# Altium PCB RockerBox_1_SiC780A_Rev02.PcbDoc (part 4 of 4)
Units mm, origin at the board's own origin, x right, y up, seen from the top; angles counter-clockwise.
Board outline 100 x 100 mm, 4 copper layers (L1, L2, L3, L4), stack 1.577 mm thick; 392 components, 96 nets, 1494 pads, 1617 vias.
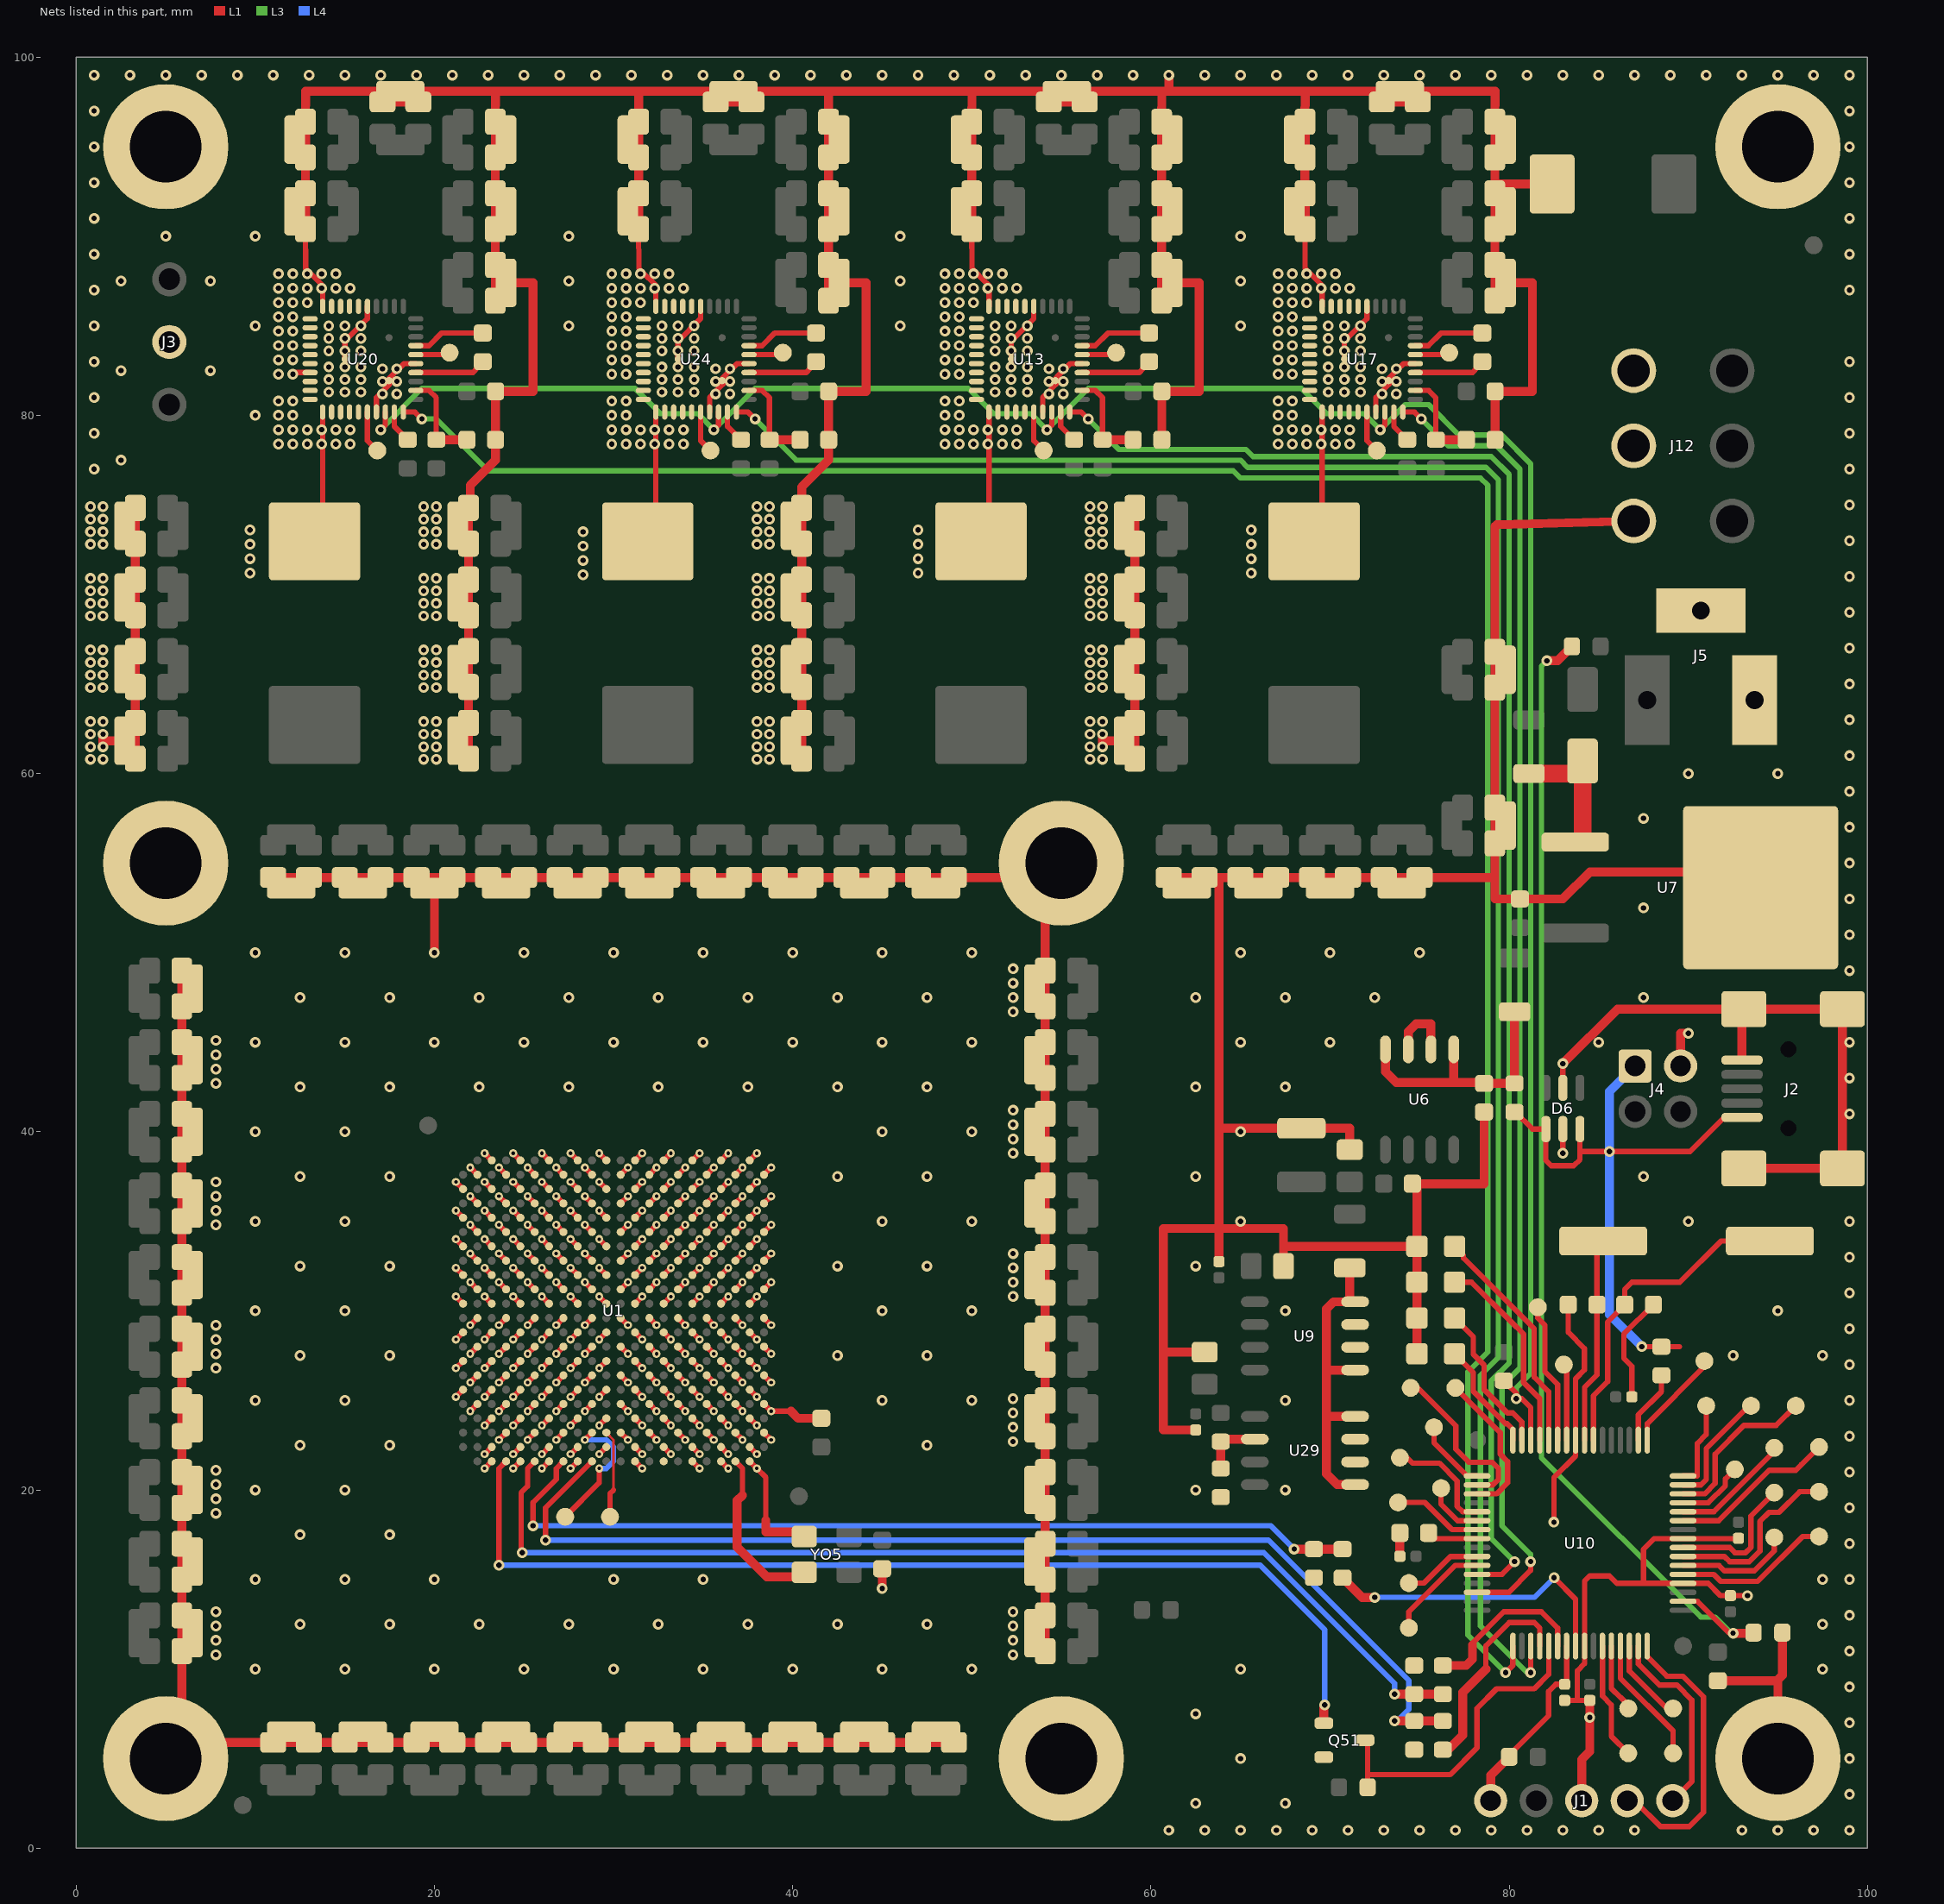
[diagram p6: the nets of this part, all layers, seen from the top]

## Via types
v1: diameter 0.6/0.6/0.6/0.6 (per signal layer), hole 0.3, L1 to L4, 1154 vias
v2: diameter 0.45/0.45/0.45/0.45 (per signal layer), hole 0.2, L1 to L4, 463 vias

## Nets (pads, with @x,y where several pads share a name; then routed paths per layer and width w, separated by ;. In a path a pad name is that pad's centre, name@x,y a point inside that pad or via, vN(x,y) a via of type N, cw(c..) or ccw(c..) an arc to the next point about the centre after c; other vN are vias at no path point) (continued)
GND: C1.1 C2.2 C3.2 C4.2 C5.2 C6.2 C7.2 C8.2 C9.2 C10.2 C11.2 C12.2 C13.1 C14.2 C15.2 C16.2 C17.2 C18.1 C19.1 C20.2 C21.2 C22.1 C23.2 C24.2 C25.2 C26.2 C36.1 C37.2 C38.2 C39.2 C40.2 C41.1 C42.1 C43.1 C47.1 C49.2 C50.2 C51.2 C52.2 C54.1 C58.2 C62.1 C63.1 C65.2 C66.2 C67.2 C68.2 C69.2 C70.2 C71.2 C74.1 C75.1 C76.1 C77.1 C78.1 C79.1 C80.1 C81.1 C85.1 C89.2 C90.2 C91.2 C92.1 C94.2 C95.2 C96.1 C97.2 C98.2 C99.1 C100.2 C101.1 C102.1 C106.2 C107.1 C108.2 C109.2 C110.2 C111.2 C112.2 C113.2 C114.2 C115.2 C116.2 C117.1 C118.2 C119.2 C120.2 C121.2 C122.2 C123.2 C124.2 C126.2 C127.2 C128.2 C130.2 C131.2 C132.1 C133.1 C134.1 C138.2 C139.2 C140.1 C141.2 C142.2 C143.1 C144.2 C145.2 C146.1 C147.2 C148.1 C149.1 C150.1 C151.1 C152.1 C153.1 C154.1 C155.1 C156.1 C157.1 C158.1 C159.1 C160.1 C161.1 C162.1 C163.1 C164.1 C165.1 C166.2 C167.1 C168.1 C169.2 C170.2 C172.2 C173.2 C174.1 C175.2 C176.2 C177.1 C178.1 C179.1 C180.1 C181.1 C182.1 C183.1 C184.1 C185.1 C186.1 C187.2 C188.2 C189.1 C190.2 C191.2 C192.1 C193.2 C194.2 C195.1 C196.2 C197.2 C199.2 C200.2 C202.2 C203.2 C205.2 C206.1 C207.1 C208.1 C209.1 C210.1 C211.1 C212.1 C213.1 C214.1 C215.1 C216.1 C217.1 C218.1 C219.1 C220.1 C221.1 C222.1 C223.1 C224.1 C225.1 C226.1 C227.1 C228.1 C229.1 C230.1 C231.2 C232.2 C233.1 C234.1 C235.1 C236.1 C237.1 C238.1 C239.1 C240.1 C241.1 C242.1 C243.1 C244.1 C245.1 C246.1 C247.1 C248.1 C249.1 C250.1 C251.1 C252.1 C253.1 C254.1 C255.1 C256.1 C258.1 C259.1 C260.1 C261.1 C262.1 C263.2 C264.2 C265.2 C266.2 C267.1 C268.2 C269.2 C270.1 C271.2 C272.2 C273.1 C274.2 C275.2 C276.1 C331.2 C332.2 C333.2 C334.2 C347.2 C373.1 C374.1 C375.1 C376.1 C377.1 C378.2 C379.2 C380.2 C381.1 C382.1 C397.1 C398.1 C399.1 C400.1 C401.1 C404.1 C405.1 C406.1 C407.1 C596.1 C598.2 C599.1 C600.2 C602.1 C603.2 C605.1 C606.2 C640.2 C642.2 C652.2 C653.1 C654.2 C655.2 C656.1 C657.2 C658.2 C659.1 C660.2 C661.2 C662.1 C663.2 C664.2 C665.1 C666.2 C667.2 C668.1 C669.2 C711.2 C814.2 D1.1 D2.1 D3.1 D4.1 D6.2 D6.5 D28.2 J1.3 J2.5 J2.6 J2.7 J2.8 J2.9 J3.2 J4.2 J5.2 J5.3 J9.1 J12.4 J12.5 J12.6 J13.1 J14.1 J15.1 J22.1 J23.1 J24.1 Q51.2 R5.1 R8.2 R22.2 R28.2 R29.2 U1.A2 U1.A4 U1.A6 U1.A8 U1.A10 U1.A12 U1.A14 U1.A16 U1.A18 U1.A20 U1.AA2 U1.AA4 U1.AA6 U1.AA8 U1.AA10 U1.AA12 U1.AA14 U1.AA16 U1.AA18 U1.AB3 U1.AB5 U1.AB7 U1.AB9 U1.AB11 U1.AB13 U1.AB15 U1.AB17 U1.B1 U1.B3 U1.B5 U1.B7 U1.B9 U1.B11 U1.B13 U1.B15 U1.B17 U1.B19 U1.B21 U1.B22 U1.C2 U1.C4 U1.C6 U1.C8 U1.C10 U1.C12 U1.C14 U1.C16 U1.C18 U1.C20 U1.D1 U1.D3 U1.D5 U1.D7 U1.D9 U1.D11 U1.D13 U1.D15 U1.D17 U1.D19 U1.D21 U1.D22 U1.E2 U1.E4 U1.E6 U1.E8 U1.E10 U1.E12 U1.E14 U1.E16 U1.E18 U1.E20 U1.F1 U1.F3 U1.F5 U1.F7 U1.F9 U1.F11 U1.F13 U1.F15 U1.F17 U1.F19 U1.F21 U1.F22 U1.G2 U1.G4 U1.G6 U1.G8 U1.G10 U1.G12 U1.G14 U1.G16 U1.G18 U1.G20 U1.H1 U1.H3 U1.H5 U1.H7 U1.H9 U1.H11 U1.H13 U1.H15 U1.H17 U1.H19 U1.H21 U1.H22 U1.J2 U1.J4 U1.J6 U1.J8 U1.J10 U1.J12 U1.J14 U1.J16 U1.J18 U1.J20 U1.K1 U1.K3 U1.K5 U1.K7 U1.K9 U1.K11 U1.K13 U1.K15 U1.K17 U1.K19 U1.K21 U1.K22 U1.L2 U1.L4 U1.L6 U1.L8 U1.L10 U1.L12 U1.L14 U1.L16 U1.L18 U1.L20 U1.M1 U1.M3 U1.M5 U1.M7 U1.M9 U1.M11 U1.M13 U1.M15 U1.M17 U1.M19 U1.M21 U1.N2 U1.N4 U1.N6 U1.N8 U1.N10 U1.N12 U1.N14 U1.N16 U1.N18 U1.P1 U1.P3 U1.P5 U1.P7 U1.P9 U1.P11 U1.P13 U1.P15 U1.P17 U1.P19 U1.P21 U1.P22 U1.R2 U1.R4 U1.R6 U1.R8 U1.R10 U1.R12 U1.R14 U1.R16 U1.R18 U1.R20 U1.T1 U1.T3 U1.T5 U1.T7 U1.T9 U1.T11 U1.T13 U1.T15 U1.T17 U1.T19 U1.T21 U1.T22 U1.U2 U1.U4 U1.U6 U1.U8 U1.U10 U1.U12 U1.U14 U1.U16 U1.U18 U1.U20 U1.V1 U1.V3 U1.V5 U1.V7 U1.V9 U1.V11 U1.V13 U1.V15 U1.V17 U1.V19 U1.V21 U1.V22 U1.W2 U1.W4 U1.W6 U1.W8 U1.W10 U1.W12 U1.W14 U1.W16 U1.W18 U1.W20 U1.Y1 U1.Y3 U1.Y5 U1.Y7 U1.Y9 U1.Y11 U1.Y13 U1.Y15 U1.Y17 U1.Y19 U1.Y21 U1.Y22 U6.6 U6.7 U7.4 U9.6 U9.7 U10.9 U10.20 U10.25 U10.41 U13.5 U13.16 U13.17 U13.18 U13.19 U13.20 U13.21 U13.22 U13.23 U13.24 U13.25 U13.26 U13.27 U13.28 U13.37 U13.41 U17.5 U17.16 U17.17 U17.18 U17.19 U17.20 U17.21 U17.22 U17.23 U17.24 U17.25 U17.26 U17.27 U17.28 U17.37 U17.41 U20.5 U20.16 U20.17 U20.18 U20.19 U20.20 U20.21 U20.22 U20.23 U20.24 U20.25 U20.26 U20.27 U20.28 U20.37 U20.41 U24.5 U24.16 U24.17 U24.18 U24.19 U24.20 U24.21 U24.22 U24.23 U24.24 U24.25 U24.26 U24.27 U24.28 U24.37 U24.41 U29.6 U29.7 YO5.2 | length 930.2
  L1 w0.3: v1(12.1,82.3) 12.1,82.39 U20.27@13.061,82.39 ; C711.2@12.8,90.4 12.811,88.2 13.006,88.006 13.761,87.25 U20.20@13.761,86.09 ; U20.37@16.761,80.19 16.761,81 17.031,81.269 17.5,81.739 17.5,81.901 U20.41@17.461,81.94 17.461,82.051 17.605,82.195 17.955,82.545 18.3,82.89 U20.5@18.961,82.89 ; v2(21.2,25.2) U1.AB17@21.6,25.6 ; v2(21.2,26.8) U1.AB15@21.6,27.2 ; v2(21.2,28.4) U1.AB13@21.6,28.8 ; v2(21.2,30.8) U1.AB11@21.6,30.4 ; v2(21.2,32.4) U1.AB9@21.6,32 ; v2(21.2,34) U1.AB7@21.6,33.6 ; v2(21.2,35.6) U1.AB5@21.6,35.2 ; v2(21.2,37.2) U1.AB3@21.6,36.8 ; v2(22,24.4) U1.AA18@22.4,24.8 ; v2(22,26) U1.AA16@22.4,26.4 ; v2(22,27.6) U1.AA14@22.4,28 ; v2(22,29.2) U1.AA12@22.4,29.6 ; v2(22,31.6) U1.AA10@22.4,31.2 ; v2(22,33.2) U1.AA8@22.4,32.8 ; v2(22,34.8) U1.AA6@22.4,34.4 ; v2(22,36.4) U1.AA4@22.4,36 ; v2(22,38) U1.AA2@22.4,37.6 ; v2(22.8,21.2) U1.Y22@23.2,21.6 ; v2(22.8,22) U1.Y21@23.2,22.4 ; v2(22.8,23.6) U1.Y19@23.2,24 ; v2(22.8,25.2) U1.Y17@23.2,25.6 ; v2(22.8,26.8) U1.Y15@23.2,27.2 ; v2(22.8,28.4) U1.Y13@23.2,28.8 ; v2(22.8,30.8) U1.Y11@23.2,30.4 ; v2(22.8,32.4) U1.Y9@23.2,32 ; v2(22.8,34) U1.Y7@23.2,33.6 ; v2(22.8,35.6) U1.Y5@23.2,35.2 ; v2(22.8,37.2) U1.Y3@23.2,36.8 ; v2(22.8,38.8) U1.Y1@23.2,38.4 ; v2(23.6,22.8) U1.W20@24,23.2 ; v2(23.6,24.4) U1.W18@24,24.8 ; v2(23.6,26) U1.W16@24,26.4 ; v2(23.6,27.6) U1.W14@24,28 ; v2(23.6,29.2) U1.W12@24,29.6 ; v2(23.6,31.6) U1.W10@24,31.2 ; v2(23.6,33.2) U1.W8@24,32.8 ; v2(23.6,34.8) U1.W6@24,34.4 ; v2(23.6,36.4) U1.W4@24,36 ; v2(23.6,38) U1.W2@24,37.6 ; v2(24.4,21.2) U1.V22@24.8,21.6 ; v2(24.4,22) U1.V21@24.8,22.4 ; v2(24.4,23.6) U1.V19@24.8,24 ; v2(24.4,25.2) U1.V17@24.8,25.6 ; v2(24.4,26.8) U1.V15@24.8,27.2 ; v2(24.4,28.4) U1.V13@24.8,28.8 ; v2(24.4,30.8) U1.V11@24.8,30.4 ; v2(24.4,32.4) U1.V9@24.8,32 ; v2(24.4,34) U1.V7@24.8,33.6 ; v2(24.4,35.6) U1.V5@24.8,35.2 ; v2(24.4,37.2) U1.V3@24.8,36.8 ; v2(24.4,38.8) U1.V1@24.8,38.4 ; v2(25.2,22.8) U1.U20@25.6,23.2 ; v2(25.2,24.4) U1.U18@25.6,24.8 ; v2(25.2,26) U1.U16@25.6,26.4 ; v2(25.2,27.6) U1.U14@25.6,28 ; v2(25.2,29.2) U1.U12@25.6,29.6 ; v2(25.2,31.6) U1.U10@25.6,31.2 ; v2(25.2,33.2) U1.U8@25.6,32.8 ; v2(25.2,34.8) U1.U6@25.6,34.4 ; v2(25.2,36.4) U1.U4@25.6,36 ; v2(25.2,38) U1.U2@25.6,37.6 ; v2(26,21.2) U1.T22@26.4,21.6 ; v2(26,22) U1.T21@26.4,22.4 ; v2(26,23.6) U1.T19@26.4,24 ; v2(26,25.2) U1.T17@26.4,25.6 ; v2(26,26.8) U1.T15@26.4,27.2 ; v2(26,28.4) U1.T13@26.4,28.8 ; v2(26,30.8) U1.T11@26.4,30.4 ; v2(26,32.4) U1.T9@26.4,32 ; v2(26,34) U1.T7@26.4,33.6 ; v2(26,35.6) U1.T5@26.4,35.2 ; v2(26,37.2) U1.T3@26.4,36.8 ; v2(26,38.8) U1.T1@26.4,38.4 ; v2(26.8,22.8) U1.R20@27.2,23.2 ; v2(26.8,24.4) U1.R18@27.2,24.8 ; v2(26.8,26) U1.R16@27.2,26.4 ; v2(26.8,27.6) U1.R14@27.2,28 ; v2(26.8,29.2) U1.R12@27.2,29.6 ; v2(26.8,31.6) U1.R10@27.2,31.2 ; v2(26.8,33.2) U1.R8@27.2,32.8 ; v2(26.8,34.8) U1.R6@27.2,34.4 ; v2(26.8,36.4) U1.R4@27.2,36 ; v2(26.8,38) U1.R2@27.2,37.6 ; v2(27.6,21.2) U1.P22@28,21.6 ; v2(27.6,22) U1.P21@28,22.4 ; v2(27.6,23.6) U1.P19@28,24 ; v2(27.6,25.2) U1.P17@28,25.6 ; v2(27.6,26.8) U1.P15@28,27.2 ; v2(27.6,28.4) U1.P13@28,28.8 ; v2(27.6,30.8) U1.P11@28,30.4 ; v2(27.6,32.4) U1.P9@28,32 ; v2(27.6,34) U1.P7@28,33.6 ; v2(27.6,35.6) U1.P5@28,35.2 ; v2(27.6,37.2) U1.P3@28,36.8 ; v2(27.6,38.8) U1.P1@28,38.4 ; v2(28.4,24.4) U1.N18@28.8,24.8 ; v2(28.4,26) U1.N16@28.8,26.4 ; v2(28.4,27.6) U1.N14@28.8,28 ; v2(28.4,29.2) U1.N12@28.8,29.6 ; v2(28.4,31.6) U1.N10@28.8,31.2 ; v2(28.4,33.2) U1.N8@28.8,32.8 ; v2(28.4,34.8) U1.N6@28.8,34.4 ; v2(28.4,36.4) U1.N4@28.8,36 ; v2(28.4,38) U1.N2@28.8,37.6 ; v2(29.2,22) U1.M21@29.6,22.4 ; v2(29.2,23.6) U1.M19@29.6,24 ; v2(29.2,25.2) U1.M17@29.6,25.6 ; v2(29.2,26.8) U1.M15@29.6,27.2 ; v2(29.2,28.4) U1.M13@29.6,28.8 ; v2(29.2,30.8) U1.M11@29.6,30.4 ; v2(29.2,32.4) U1.M9@29.6,32 ; v2(29.2,34) U1.M7@29.6,33.6 ; v2(29.2,35.6) U1.M5@29.6,35.2 ; v2(29.2,37.2) U1.M3@29.6,36.8 ; v2(29.2,38.8) U1.M1@29.6,38.4 ; U1.L20@30.4,23.2 v2(30.8,22.8) ; U1.L18@30.4,24.8 v2(30.8,24.4) ; U1.L16@30.4,26.4 v2(30.8,26) ; U1.L14@30.4,28 v2(30.8,27.6) ; U1.L12@30.4,29.6 v2(30.8,29.2) ; U1.L10@30.4,31.2 v2(30.8,31.6) ; U1.L8@30.4,32.8 v2(30.8,33.2) ; U1.L6@30.4,34.4 v2(30.8,34.8) ; U1.L4@30.4,36 v2(30.8,36.4) ; U1.L2@30.4,37.6 v2(30.8,38) ; U1.K22@31.2,21.6 v2(31.6,21.2) ; U1.K21@31.2,22.4 v2(31.6,22) ; U1.K19@31.2,24 v2(31.6,23.6) ; U1.K17@31.2,25.6 v2(31.6,25.2) ; U1.K15@31.2,27.2 v2(31.6,26.8) ; U1.K13@31.2,28.8 v2(31.6,28.4) ; U1.K11@31.2,30.4 v2(31.6,30.8) ; U1.K9@31.2,32 v2(31.6,32.4) ; U1.K7@31.2,33.6 v2(31.6,34) ; U1.K5@31.2,35.2 v2(31.6,35.6) ; U1.K3@31.2,36.8 v2(31.6,37.2) ; U1.K1@31.2,38.4 v2(31.6,38.8) ; C115.2@31.4,90.4 31.411,88.2 31.606,88.006 32.361,87.25 U24.20@32.361,86.09 ; U1.J20@32,23.2 v2(32.4,22.8) ; U1.J18@32,24.8 v2(32.4,24.4) ; U1.J16@32,26.4 v2(32.4,26) ; U1.J14@32,28 v2(32.4,27.6) ; U1.J12@32,29.6 v2(32.4,29.2) ; U1.J10@32,31.2 v2(32.4,31.6) ; U1.J8@32,32.8 v2(32.4,33.2) ; U1.J6@32,34.4 v2(32.4,34.8) ; U1.J4@32,36 v2(32.4,36.4) ; U1.J2@32,37.6 v2(32.4,38) ; U1.H21@32.8,22.4 v2(33.2,22) ; U1.H19@32.8,24 v2(33.2,23.6) ; U1.H17@32.8,25.6 v2(33.2,25.2) ; U1.H15@32.8,27.2 v2(33.2,26.8) ; U1.H13@32.8,28.8 v2(33.2,28.4) ; U1.H11@32.8,30.4 v2(33.2,30.8) ; U1.H9@32.8,32 v2(33.2,32.4) ; U1.H7@32.8,33.6 v2(33.2,34) ; U1.H5@32.8,35.2 v2(33.2,35.6) ; U1.H3@32.8,36.8 v2(33.2,37.2) ; U1.H1@32.8,38.4 v2(33.2,38.8) ; U1.G20@33.6,23.2 v2(34,22.8) ; U1.G18@33.6,24.8 v2(34,24.4) ; U1.G16@33.6,26.4 v2(34,26) ; U1.G14@33.6,28 v2(34,27.6) ; U1.G12@33.6,29.6 v2(34,29.2) ; U1.G10@33.6,31.2 v2(34,31.6) ; U1.G8@33.6,32.8 v2(34,33.2) ; U1.G6@33.6,34.4 v2(34,34.8) ; U1.G4@33.6,36 v2(34,36.4) ; U1.G2@33.6,37.6 v2(34,38) ; U1.F22@34.4,21.6 v2(34.8,21.2) ; U1.F21@34.4,22.4 v2(34.8,22) ; U1.F19@34.4,24 v2(34.8,23.6) ; U1.F17@34.4,25.6 v2(34.8,25.2) ; U1.F15@34.4,27.2 v2(34.8,26.8) ; U1.F13@34.4,28.8 v2(34.8,28.4) ; U1.F11@34.4,30.4 v2(34.8,30.8) ; U1.F9@34.4,32 v2(34.8,32.4) ; U1.F7@34.4,33.6 v2(34.8,34) ; U1.F5@34.4,35.2 v2(34.8,35.6) ; U1.F3@34.4,36.8 v2(34.8,37.2) ; U1.F1@34.4,38.4 v2(34.8,38.8) ; U1.E20@35.2,23.2 v2(35.6,22.8) ; U1.E18@35.2,24.8 v2(35.6,24.4) ; U1.E16@35.2,26.4 v2(35.6,26) ; U1.E14@35.2,28 v2(35.6,27.6) ; U1.E12@35.2,29.6 v2(35.6,29.2) ; U1.E10@35.2,31.2 v2(35.6,31.6) ; U1.E8@35.2,32.8 v2(35.6,33.2) ; U1.E6@35.2,34.4 v2(35.6,34.8) ; U1.E4@35.2,36 v2(35.6,36.4) ; U1.E2@35.2,37.6 v2(35.6,38) ; U24.37@35.361,80.19 35.361,81 35.631,81.269 35.981,81.619 36.1,81.739 36.1,81.901 U24.41@36.061,81.94 36.061,82.051 36.205,82.195 36.555,82.545 36.9,82.89 U24.5@37.561,82.89 ; U1.D22@36,21.6 v2(36.4,21.2) ; U1.D21@36,22.4 v2(36.4,22) ; U1.D19@36,24 v2(36.4,23.6) ; U1.D17@36,25.6 v2(36.4,25.2) ; U1.D15@36,27.2 v2(36.4,26.8) ; U1.D13@36,28.8 v2(36.4,28.4) ; U1.D11@36,30.4 v2(36.4,30.8) ; U1.D9@36,32 v2(36.4,32.4) ; U1.D7@36,33.6 v2(36.4,34) ; U1.D5@36,35.2 v2(36.4,35.6) ; U1.D3@36,36.8 v2(36.4,37.2) ; U1.D1@36,38.4 v2(36.4,38.8) ; U1.C20@36.8,23.2 v2(37.2,22.8) ; U1.C18@36.8,24.8 v2(37.2,24.4) ; U1.C16@36.8,26.4 v2(37.2,26) ; U1.C14@36.8,28 v2(37.2,27.6) ; U1.C12@36.8,29.6 v2(37.2,29.2) ; U1.C10@36.8,31.2 v2(37.2,31.6) ; U1.C8@36.8,32.8 v2(37.2,33.2) ; U1.C6@36.8,34.4 v2(37.2,34.8) ; U1.C4@36.8,36 v2(37.2,36.4) ; U1.C2@36.8,37.6 v2(37.2,38) ; U1.B22@37.6,21.6 v2(38,21.2) 38.5,20.7 38.5,18.3 ; U1.B21@37.6,22.4 v2(38,22) ; U1.B19@37.6,24 v2(38,23.6) ; U1.B17@37.6,25.6 v2(38,25.2) ; U1.B15@37.6,27.2 v2(38,26.8) ; U1.B13@37.6,28.8 v2(38,28.4) ; U1.B11@37.6,30.4 v2(38,30.8) ; U1.B9@37.6,32 v2(38,32.4) ; U1.B7@37.6,33.6 v2(38,34) ; U1.B5@37.6,35.2 v2(38,35.6) ; U1.B3@37.6,36.8 v2(38,37.2) ; U1.B1@37.6,38.4 v2(38,38.8) ; U1.A20@38.4,23.2 v2(38.8,22.8) ; U1.A18@38.4,24.8 v2(38.8,24.4) 39.905,24.4 ; U1.A16@38.4,26.4 v2(38.8,26) ; U1.A14@38.4,28 v2(38.8,27.6) ; U1.A12@38.4,29.6 v2(38.8,29.2) ; U1.A10@38.4,31.2 v2(38.8,31.6) ; U1.A8@38.4,32.8 v2(38.8,33.2) ; U1.A6@38.4,34.4 v2(38.8,34.8) ; U1.A4@38.4,36 v2(38.8,36.4) ; U1.A2@38.4,37.6 v2(38.8,38) ; C640.2@50,90.4 50.011,88.2 50.206,88.006 50.606,87.606 50.961,87.25 U13.20@50.961,86.09 ; U13.37@53.961,80.19 53.961,81 54.231,81.269 54.581,81.619 54.7,81.739 54.7,81.901 U13.41@54.661,81.94 54.661,82.051 54.805,82.195 55.155,82.545 55.5,82.89 U13.5@56.161,82.89 ; C126.2@68.6,90.4 68.611,88.2 69.561,87.25 U17.20@69.561,86.09 ; U17.37@72.561,80.19 72.561,81 72.831,81.269 73.3,81.739 73.3,81.901 U17.41@73.261,81.94 73.261,82.051 73.405,82.195 73.755,82.545 74.1,82.89 U17.5@74.761,82.89 ; v1(82.5,18.2) 82.5,20.692 83.707,21.9 83.707,26.207 84.2,26.7 84.2,27.9 83.3,28.8 C11.2@83.3,30.35 ; v1(83,38.8) D6.5@83,40.15 ; D6.2@83,42.45 v1(83,43.8) ; C5.2@83.1,8.25 83.808,8.25 ; C9.2@84.5,8.25 83.808,8.25 ; C4.2@86.85,25.2 86.85,26.9 86.4,27.35 86.4,28.7 C10.2@88.05,30.35 ; C8.2@92.8,17.3 92.783,17.283 U10.25@89.708,17.283 88.1,17.283 87.5,16.683 87.5,14.783 ; v1(93.3,14.1) C6.2@92.35,14.1 91.8,14.1 91.117,14.783 U10.20@89.708,14.783 87.5,14.783 ; 83.808,8.25 83.808,9.9 84.207,10.3 U10.9@84.207,11.283 84.207,14.907 84.5,15.2 85.6,15.2 86.017,14.783 87.5,14.783
  L1 w0.5: v1(1.5,61.5) 1.5,61.835 ; v1(1.5,62.2) 1.5,61.835 ; C662.1@2.703,65.835 3.303,65.835 ; C665.1@2.703,69.835 3.303,69.835 ; C668.1@2.703,73.835 3.303,73.835 ; C657.2@3.303,60.835 3.303,61.835 ; C669.2@3.303,74.835 3.303,73.835 ; J9.1@5,5 J9.1@5.9,5.9 ; C63.1@5.9,49 5.9,48 ; C254.1@6.5,12 5.9,12 ; C213.1@6.5,16 5.9,16 ; C214.1@6.5,20 5.9,20 ; C215.1@6.5,24 5.9,24 ; C210.1@6.5,28 5.9,28 ; C211.1@6.5,32 5.9,32 ; C212.1@6.5,36 5.9,36 ; C207.1@6.5,40 5.9,40 ; C208.1@6.5,44 5.9,44 ; C209.1@6.5,48 5.9,48 ; C654.2@11,54.2 12,54.2 ; C238.1@12,6.5 12,5.9 ; C653.1@12,53.6 12,54.2 ; C602.1@12.2,91.4 12.811,91.44 ; C605.1@12.2,95.4 12.811,95.44 ; C711.2@12.8,90.4 12.811,91.393 12.811,91.44 ; C237.1@16,6.5 16,5.9 ; C398.1@16,53.6 16,54.2 ; C378.2@17.1,97.5 18.1,97.5 ; C20.2@19.1,97.5 18.1,97.5 ; C216.1@20,6.5 20,5.9 ; v1(20,50) C659.1@20,53.6 20,54.2 ; C195.1@21.303,61.835 21.903,61.835 ; C399.1@21.303,65.835 21.903,65.835 ; C400.1@21.303,69.835 21.903,69.835 ; C401.1@21.303,73.835 21.903,73.835 ; C176.2@21.903,60.835 21.903,61.835 ; C25.2@23.4,86.4 23.4,87.4 ; C241.1@24,6.5 24,5.9 ; C397.1@24,53.6 24,54.2 ; C101.1@24,91.4 23.4,91.4 ; C405.1@24,95.4 23.4,95.4 ; C240.1@28,6.5 28,5.9 ; C192.1@28,53.6 28,54.2 ; C406.1@30.8,91.4 31.411,91.44 ; C407.1@30.8,95.4 31.411,95.44 ; C115.2@31.4,90.4 31.411,91.393 31.411,91.44 ; 31.409,98.1 C133.1@36.7,98.1 ; C239.1@32,6.5 32,5.9 ; C189.1@32,53.6 32,54.2 ; C110.2@35.7,97.5 36.7,97.5 ; C244.1@36,6.5 36,5.9 ; C267.1@36,53.6 36,54.2 ; C91.2@37.7,97.5 36.7,97.5 ; 38.5,18.3 38.5,17.65 40.45,17.65 40.45,17.6 YO5.2@40.65,17.4 ; C146.1@39.903,61.835 40.503,61.835 ; C375.1@39.903,65.835 40.503,65.835 ; C376.1@39.903,69.835 40.503,69.835 ; C377.1@39.903,73.835 40.503,73.835 ; 39.905,24.4 40.305,24 C233.1@41.6,24 ; C243.1@40,6.5 40,5.9 ; C174.1@40,53.6 40,54.2 ; C138.2@40.503,60.835 40.503,61.835 ; C109.2@42,86.4 42,87.4 ; C92.1@42.6,91.4 42,91.4 ; C134.1@42.6,95.4 42,95.4 ; C242.1@44,6.5 44,5.9 ; C143.1@44,53.6 44,54.2 ; v1(45,14.5) C227.1@45,15.6 ; C255.1@48,6.5 48,5.9 ; C140.1@48,53.6 48,54.2 ; C230.1@49,5.9 48,5.9 ; C596.1@49.4,91.4 50.011,91.44 ; C599.1@49.4,95.4 50.011,95.44 ; C640.2@50,90.4 50.011,91.393 50.011,91.44 ; 50.009,98.099 C600.2@50,96.4 50.011,95.44 ; C256.1@53.5,12 54.1,12 ; C247.1@53.5,16 54.1,16 ; C246.1@53.5,20 54.1,20 ; C245.1@53.5,24 54.1,24 ; C250.1@53.5,28 54.1,28 ; C249.1@53.5,32 54.1,32 ; C248.1@53.5,36 54.1,36 ; C253.1@53.5,40 54.1,40 ; C252.1@53.5,44 54.1,44 ; C251.1@53.5,48 54.1,48 ; C235.1@54.1,11 54.1,12 ; C69.2@54.3,97.5 55.3,97.5 ; J14.1@55,55 54.9,55 J14.1@54.1,54.2 ; C49.2@56.3,97.5 55.3,97.5 ; v1(57.3,61.5) 57.3,61.835 ; v1(57.3,62.2) 57.3,61.835 ; C276.1@58.503,65.835 59.103,65.835 ; C381.1@58.503,69.835 59.103,69.835 ; C382.1@58.503,73.835 59.103,73.835 ; C205.2@59.103,60.835 59.103,61.835 ; C275.2@59.103,74.835 59.103,73.835 ; C68.2@60.6,86.4 60.6,87.4 ; C26.2@60.611,78.64 C22.1@60.611,81.34 62.7,81.34 62.7,87.4 C43.1@61.2,87.4 60.6,87.4 ; C141.2@61,54.198 62,54.198 ; v1(61,99) 61,98.1 ; C42.1@61.2,91.4 60.6,91.4 ; C374.1@61.2,95.4 60.6,95.4 ; C167.1@62,53.598 62,54.198 ; C232.2@62.5,23.35 60.7,23.35 60.7,27.7 ; C231.2@63,27.7 60.7,27.7 ; C17.2@63.8,32.75 63.8,34.6 ; C132.1@66,53.598 66,54.198 ; C16.2@67.4,32.5 67.4,33.6 ; C258.1@68,91.4 68.611,91.44 ; C259.1@68,95.4 68.611,95.44 ; C126.2@68.6,90.4 68.611,91.393 68.611,91.44 ; C262.1@70,53.6 70,54.2 ; C14.2@71.1,39 71.1,40.2 63.8,40.2 ; C119.2@72.9,97.5 73.9,97.5 ; C7.2@73.9,16.3 C2.2@73.9,17.6 ; C261.1@74,53.6 74,54.2 ; U6.7@74.365,44.6 74.365,45.595 74.8,46.03 75.635,46.03 U6.6@75.635,44.6 ; C347.2@74.6,37.1 C347.2@74.85,37.1 ; D1.1@74.85,27.6 D2.1@74.85,29.6 D4.1@74.85,31.6 D3.1@74.85,33.6 ; C98.2@74.9,97.5 73.9,97.5 ; C15.2@78.6,41.1 78.6,37.1 C347.2@74.85,37.1 ; C118.2@79.2,86.4 79.2,87.4 ; C58.2@79.211,78.64 C54.1@79.211,81.34 81.3,81.34 81.3,87.4 C47.1@79.8,87.4 79.2,87.4 ; C273.1@79.8,57.1 79.2,57.1 ; C260.1@79.8,65.8 79.2,65.8 ; C41.1@79.8,91.4 79.2,91.4 ; C107.1@79.8,95.4 79.2,95.4 ; D28.2@82.397,92.917 C106.2@79.2,92.917 ; v1(83,43.8) 86.05,46.85 J2.6@93,46.85 ; J1.3@84.05,2.65 84.05,4.95 84.5,5.4 v1(84.5,7.3) C9.2@84.5,8.25 ; J12.6@86.95,74.1 79.3,73.9 79.2,73.8 C90.2@79.2,66.8 79.2,65.8 ; J4.2@89.57,43.67 89.57,45.5 v1(90,45.5) ; C3.2@91.65,9.35 95,9.35 ; J2.5@93,44 J2.6@93,46.85 ; J2.9@93.1,37.95 J2.8@98.6,37.95 J2.7@98.6,46.85 J2.6@93.1,46.85 J2.6@93,46.85 ; U7.4@94.039,53.633 94.039,54.5 84.505,54.5 83.005,53 C12.2@80.605,53 79.2,53 79.2,54.2 ; J22.1@95,5 95,9.35 ; R5.1@95.246,12.036 95.246,9.65 95,9.404 95,9.35 ; 1.5,61.835 C656.1@2.703,61.835 3.303,61.835 ; 3.303,61.835 C655.2@3.303,62.835 C661.2@3.303,64.835 3.303,65.835 ; 3.303,65.835 C663.2@3.303,66.835 C664.2@3.303,68.835 3.303,69.835 ; 3.303,69.835 C666.2@3.303,70.835 C667.2@3.303,72.835 3.303,73.835 ; J9.1@5.9,5.9 C157.1@11,5.9 12,5.9 ; J9.1@5.9,5.9 5.9,12 ; 5.9,12 5.9,16 ; 5.9,16 5.9,20 ; 5.9,20 5.9,24 ; 5.9,24 5.9,28 ; 5.9,28 5.9,32 ; 5.9,32 5.9,36 ; 5.9,36 5.9,40 ; 5.9,40 5.9,44 ; 5.9,44 5.9,48 ; 12,5.9 C156.1@13,5.9 C155.1@15,5.9 16,5.9 ; 12,54.2 C334.2@15,54.2 16,54.2 ; 12.811,91.44 C603.2@12.8,92.4 C814.2@12.8,94.4 12.811,95.393 12.811,95.44 ; 12.811,95.44 C606.2@12.8,96.4 12.809,98.1 C404.1@18.1,98.1 ; 16,5.9 C154.1@17,5.9 C153.1@19,5.9 20,5.9 ; 16,54.2 20,54.2 ; 18.1,97.5 C404.1@18.1,98.1 ; C404.1@18.1,98.1 23.4,98.1 23.409,98.1 ; 20,5.9 C152.1@21,5.9 C163.1@23,5.9 24,5.9 ; 20,54.2 24,54.2 ; 21.903,61.835 C175.2@21.903,62.835 C191.2@21.903,64.835 21.903,65.835 ; 21.903,65.835 C193.2@21.903,66.835 C194.2@21.903,68.835 21.903,69.835 ; 21.903,69.835 C196.2@21.903,70.835 C263.2@21.903,72.835 21.903,73.835 ; 21.903,73.835 C268.2@21.903,74.835 22,74.932 22,76.089 23.411,77.5 C89.2@23.411,78.64 C85.1@23.411,81.34 25.5,81.34 25.5,87.4 C102.1@24,87.4 23.4,87.4 ; 23.4,87.4 23.4,91.4 ; 23.4,91.4 23.4,95.4 ; 23.4,95.4 C379.2@23.4,96.4 23.409,98.1 ; 23.409,98.1 31.409,98.1 C114.2@31.4,96.4 31.411,95.44 ; 24,5.9 C162.1@25,5.9 C161.1@27,5.9 28,5.9 ; 24,54.2 28,54.2 ; 28,5.9 C160.1@29,5.9 C159.1@31,5.9 32,5.9 ; 28,54.2 32,54.2 ; 31.411,91.44 C113.2@31.4,92.4 C116.2@31.4,94.4 31.411,95.393 31.411,95.44 ; 32,5.9 C158.1@33,5.9 C179.1@35,5.9 36,5.9 ; 32,54.2 36,54.2 ; 36,5.9 C178.1@37,5.9 C177.1@39,5.9 40,5.9 ; 36,54.2 40,54.2 ; 36.7,97.5 C133.1@36.7,98.1 ; C133.1@36.7,98.1 42,98.1 42.009,98.1 ; 40,5.9 C168.1@41,5.9 C165.1@43,5.9 44,5.9 ; 40,54.2 44,54.2 ; 40.503,61.835 40.503,65.835 ; 40.503,65.835 40.503,69.835 ; 40.503,69.835 C147.2@40.503,70.835 40.503,73.835 ; 40.503,73.835 40.503,76.003 42.003,77.503 42.003,78.631 C121.2@42.011,78.64 C117.1@42.011,81.34 44.1,81.34 44.1,87.4 C96.1@42.6,87.4 42,87.4 ; 42,87.4 C97.2@42,88.4 C94.2@42,90.4 42,91.4 ; 42,91.4 C95.2@42,92.4 C112.2@42,94.4 42,95.4 ; 42,95.4 C111.2@42,96.4 42.009,98.1 ; 42.009,98.1 50.008,98.1 C373.1@55.3,98.1 ; 44,5.9 C164.1@45,5.9 C234.1@47,5.9 48,5.9 ; 44,54.2 48,54.2 ; 48,54.2 J14.1@54.1,54.2 ; 50.011,91.44 C598.2@50,92.4 C642.2@50,94.4 50.011,95.393 50.011,95.44 ; 54.1,12 C236.1@54.1,13 C185.1@54.1,15 54.1,16 ; 54.1,16 C184.1@54.1,17 C183.1@54.1,19 54.1,20 ; 54.1,20 C182.1@54.1,21 C181.1@54.1,23 54.1,24 ; 54.1,24 C180.1@54.1,25 C220.1@54.1,27 54.1,28 ; 54.1,28 C219.1@54.1,29 C218.1@54.1,31 54.1,32 ; 54.1,32 C217.1@54.1,33 C206.1@54.1,35 54.1,36 ; 54.1,36 C186.1@54.1,37 C226.1@54.1,39 54.1,40 ; 54.1,40 C225.1@54.1,41 C224.1@54.1,43 54.1,44 ; 54.1,44 C223.1@54.1,45 C222.1@54.1,47 54.1,48 ; 54.1,48 C221.1@54.1,49 J14.1@54.1,54.2 ; 55.3,97.5 C373.1@55.3,98.1 ; C373.1@55.3,98.1 60.6,98.1 60.609,98.1 ; 57.3,61.835 C270.1@58.503,61.835 59.103,61.835 ; 59.103,61.835 C203.2@59.103,62.835 C266.2@59.103,64.835 59.103,65.835 ; 59.103,65.835 C269.2@59.103,66.835 C271.2@59.103,68.835 59.103,69.835 ; 59.103,69.835 C272.2@59.103,70.835 C274.2@59.103,72.835 59.103,73.835 ; 60.6,87.4 C52.2@60.6,88.4 C50.2@60.6,90.4 60.6,91.4 ; 60.6,91.4 C51.2@60.6,92.4 C71.2@60.6,94.4 60.6,95.4 ; 60.6,95.4 C70.2@60.6,96.4 60.609,98.1 ; 60.609,98.1 61,98.1 ; 60.7,27.7 60.7,34.6 63.8,34.6 ; 61,98.1 68.609,98.1 ; 62,54.198 C139.2@63,54.198 63.8,54.198 ; 63.8,34.6 63.8,40.2 ; 63.8,34.6 67.4,34.6 67.4,33.6 ; 63.8,40.2 63.8,54.198 ; 63.8,54.198 C38.2@65,54.198 66,54.198 ; 66,54.198 C37.2@67,54.198 68.998,54.198 C202.2@69,54.2 70,54.2 ; 67.4,33.6 D3.1@74.85,33.6 ; 68.609,98.1 C124.2@68.6,96.4 68.611,95.44 ; 68.609,98.1 C99.1@73.9,98.1 ; 68.611,91.44 C123.2@68.6,92.4 C127.2@68.6,94.4 68.611,95.393 68.611,95.44 ; 70,54.2 C199.2@73,54.2 74,54.2 ; 73.9,97.5 C99.1@73.9,98.1 ; C99.1@73.9,98.1 79.2,98.1 79.209,98.1 C120.2@79.2,96.4 79.2,95.4 ; 74,54.2 79.2,54.2 ; D3.1@74.85,33.6 C347.2@74.85,37.1 ; 79.2,54.2 C265.2@79.2,56.1 79.2,57.1 ; 79.2,57.1 C264.2@79.2,58.1 C187.2@79.2,64.8 79.2,65.8 ; 79.2,87.4 C108.2@79.2,88.4 C100.2@79.2,90.4 79.2,91.4 ; 79.2,91.4 C106.2@79.2,92.4 C106.2@79.2,92.917 ; C106.2@79.2,92.917 C122.2@79.2,94.4 79.2,95.4